# Altium PCB miniBackplane.PcbDoc (part 20 of 24)
Units mil, origin at the board's own origin, x right, y up, seen from the top; angles counter-clockwise.
Board outline 17285.63 x 8582.68 mil, 6 copper layers (Top Layer, Mid-Layer 1, GND, PWR, Mid-Layer 2, Bottom Layer), stack 62.362 mil thick; 519 components, 474 nets, 2434 pads, 1493 vias.
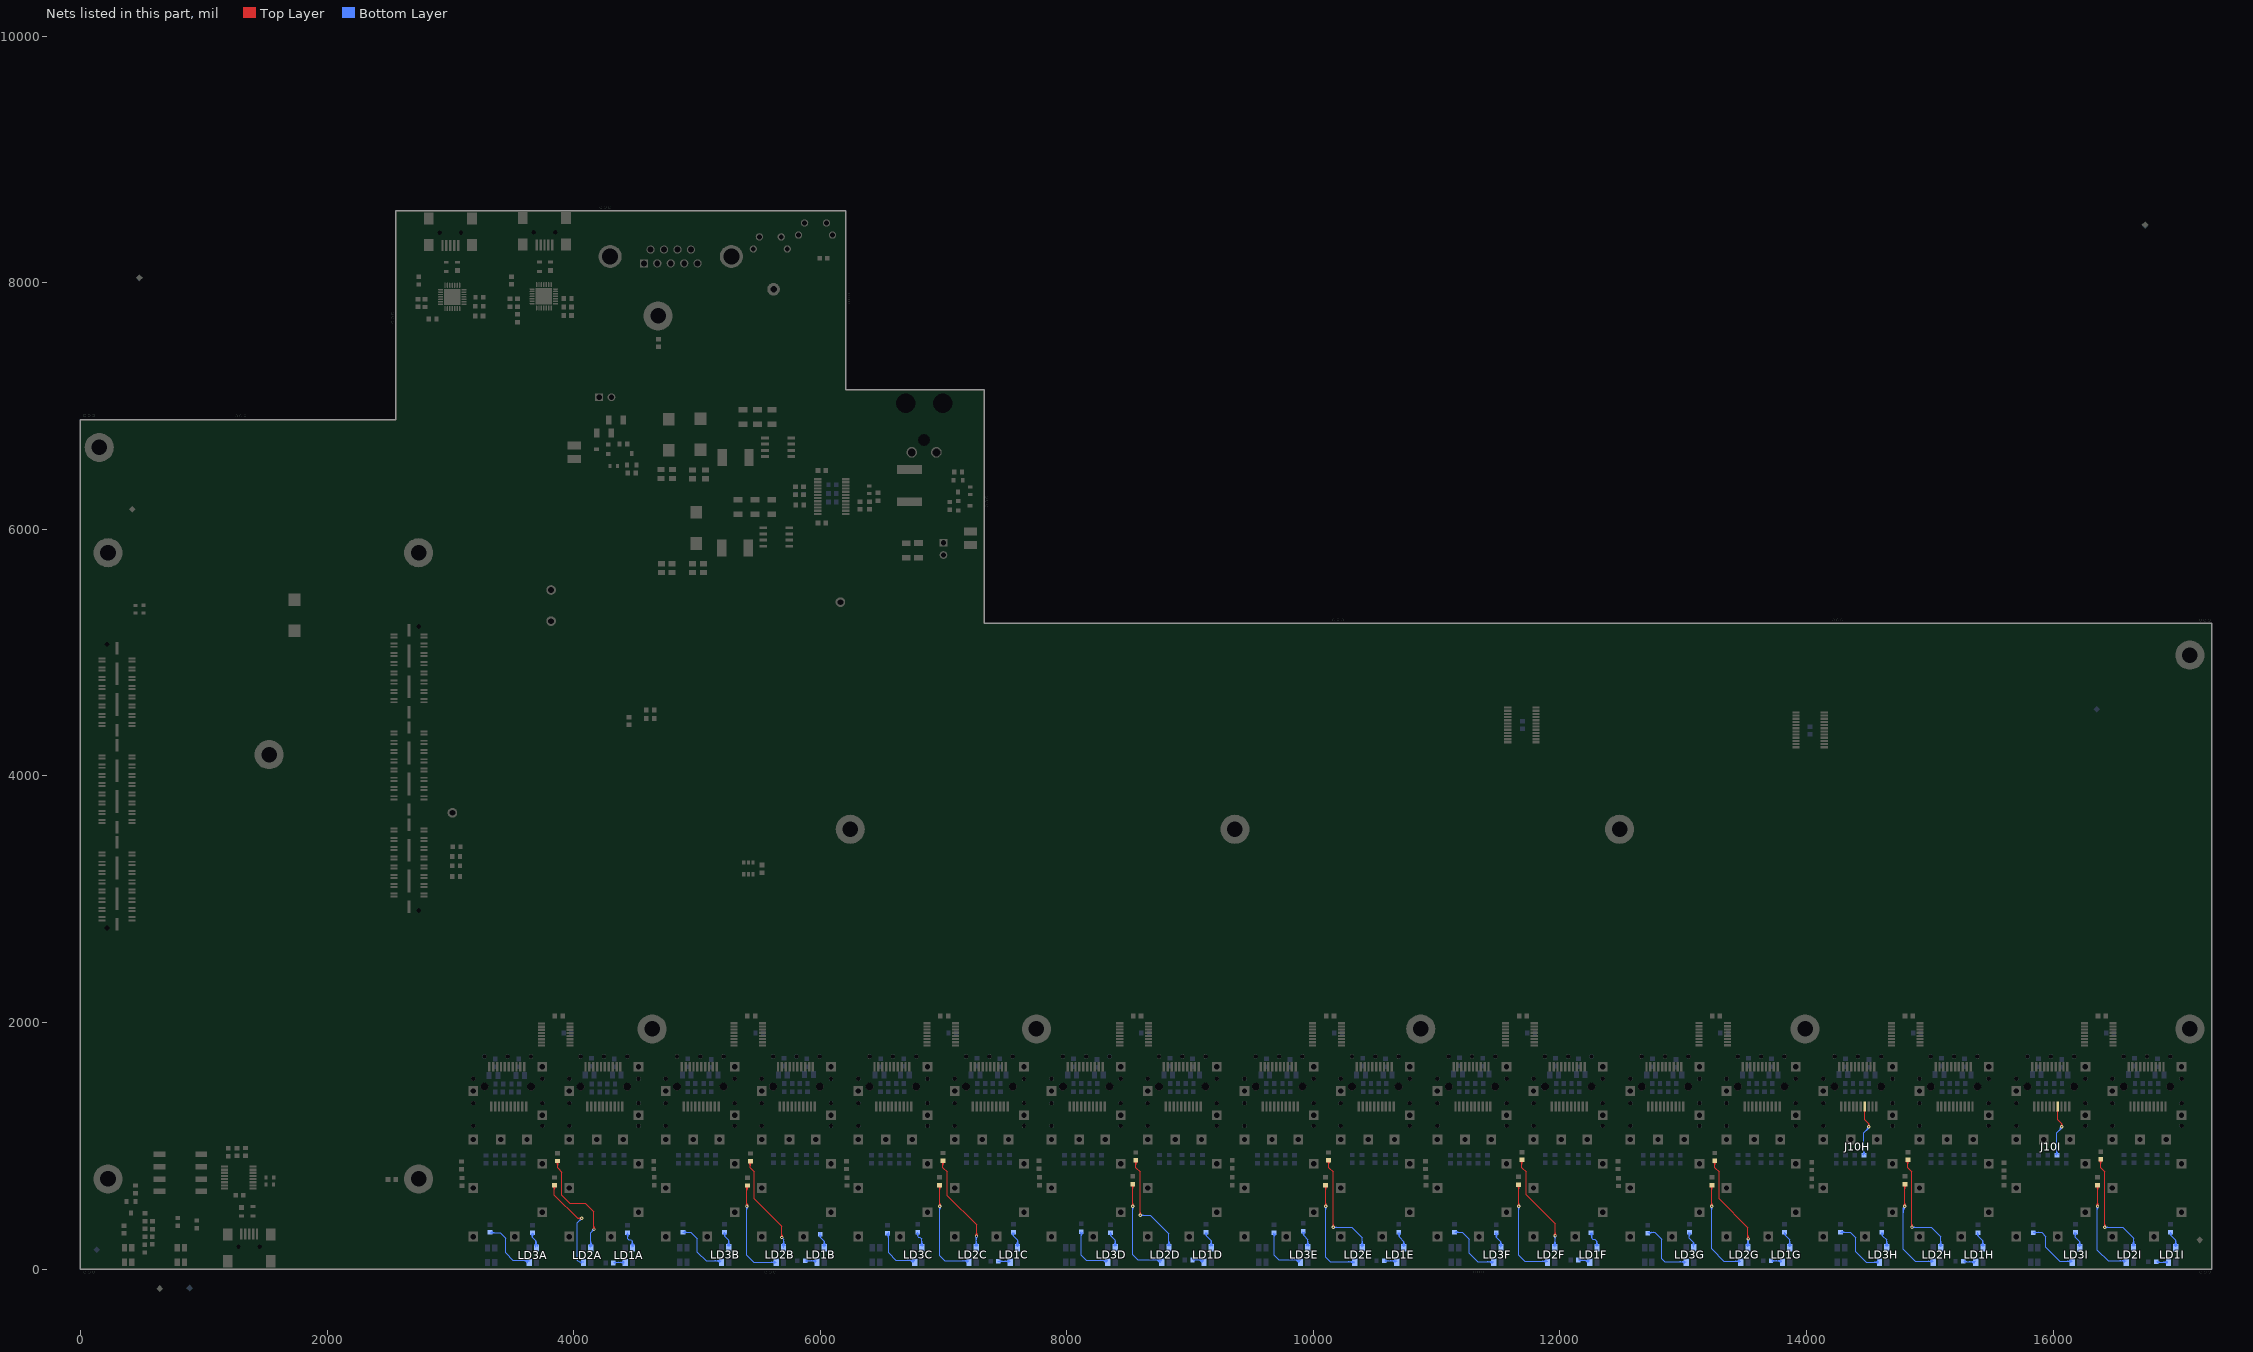
[diagram p24: the nets of this part, all layers, seen from the top]

## Via types
v1: diameter 27.56, hole 11.81, Top Layer to Bottom Layer, tented both sides, 1347 vias
v2: diameter 23.62, hole 11.81, Top Layer to Bottom Layer, tented both sides, 146 vias

## Nets (pads, with @x,y where several pads share a name; then routed paths per layer and width w, separated by ;. In a path a pad name is that pad's centre, name@x,y a point inside that pad or via, vN(x,y) a via of type N, cw(c..) or ccw(c..) an arc to the next point about the centre after c; other vN are vias at no path point) (continued)
NetJ10H_7: J10H.7 R28H.2 | length 825.2
  Top Layer w7.87: J10H.7@14472.2,1320.05 14472.2,1212.11 14505.69,1178.62 v1(14505.69,1153.62) ; 14472.2,1274.6 ccw(c14457.95,1274.6) 14468.03,1284.68 cw(c14457.95,1274.6) 14472.2,1274.6 ; 14472.2,1274.6 cw(c14486.46,1274.6) 14476.38,1284.68 ccw(c14486.46,1274.6) 14472.2,1274.6 ; 14505.69,1177.38 ccw(c14529.45,1177.38) 14512.65,1160.58 cw(c14529.45,1177.38) 14505.69,1177.38 ; 14505.69,1177.38 cw(c14481.93,1177.38) 14498.73,1160.58 ccw(c14481.93,1177.38) 14505.69,1177.38
  Bottom Layer w7.87: R28H.2@14466.38,922.53 14466.38,1104.31 14505.69,1143.62 v1(14505.69,1153.62) ; 14489.79,1130.99 cw(c14521.84,1122.4) v1@14506.6,1151.87 ; v1@14497.25,1148.57 cw(c14483.27,1140.21) 14499,1135.99 cw(c14509.64,1133.14) v1@14507.55,1143.96 ; 14466.38,955.79 ccw(c14499.64,955.79) 14476.12,932.27 cw(c14499.64,955.79) 14466.38,955.79 ; 14466.38,955.79 cw(c14433.11,955.79) 14456.63,932.27 ccw(c14433.11,955.79) 14466.38,955.79 ; 14481.82,1119.75 ccw(c14447.95,1153.62) 14495.85,1153.62 cw(c14447.95,1153.62) 14481.82,1119.75 ; 14495.26,1133.19 ccw(c14474.83,1153.62) 14503.72,1153.62 cw(c14474.83,1153.62) 14495.26,1133.19
NetJ10I_7: J10I.7 R28I.2 | length 825.2
  Top Layer w7.87: J10I.7@16037.2,1320.05 16037.2,1212.11 16070.69,1178.62 v1(16070.69,1153.62) ; 16037.2,1274.6 ccw(c16022.95,1274.6) 16033.03,1284.68 cw(c16022.95,1274.6) 16037.2,1274.6 ; 16037.2,1274.6 cw(c16051.46,1274.6) 16041.38,1284.68 ccw(c16051.46,1274.6) 16037.2,1274.6 ; 16070.69,1177.38 ccw(c16094.45,1177.38) 16077.65,1160.58 cw(c16094.45,1177.38) 16070.69,1177.38 ; 16070.69,1177.38 cw(c16046.93,1177.38) 16063.73,1160.58 ccw(c16046.93,1177.38) 16070.69,1177.38
  Bottom Layer w7.87: R28I.2@16031.38,922.53 16031.38,1104.31 16070.69,1143.62 v1(16070.69,1153.62) ; 16054.79,1130.99 cw(c16086.84,1122.4) v1@16071.6,1151.87 ; v1@16062.25,1148.57 cw(c16048.27,1140.21) 16064,1135.99 cw(c16074.64,1133.14) v1@16072.55,1143.96 ; 16031.38,955.79 ccw(c16064.64,955.79) 16041.12,932.27 cw(c16064.64,955.79) 16031.38,955.79 ; 16031.38,955.79 cw(c15998.11,955.79) 16021.63,932.27 ccw(c15998.11,955.79) 16031.38,955.79 ; 16046.82,1119.75 ccw(c16012.95,1153.62) 16060.85,1153.62 cw(c16012.95,1153.62) 16046.82,1119.75 ; 16060.26,1133.19 ccw(c16039.83,1153.62) 16068.72,1153.62 cw(c16039.83,1153.62) 16060.26,1133.19
NetLD1A_2: LD1A.2 R17A.2 | length 431.1
  Bottom Layer w7.87: R17A.2@4326.79,53.46 LD1A.2@4411.43,53.46 ; 4376.54,53.46 ccw(c4376.54,96.24) 4406.78,65.99 cw(c4376.54,96.24) 4376.54,53.46 ; 4376.54,53.46 cw(c4376.54,10.69) 4406.78,40.94 ccw(c4376.54,10.69) 4376.54,53.46 ; 4395.54,53.46 ccw(c4395.54,77.23) 4412.35,60.42 cw(c4395.54,77.23) 4395.54,53.46 ; 4395.54,53.46 cw(c4395.54,29.7) 4412.35,46.5 ccw(c4395.54,29.7) 4395.54,53.46 ; R17A.2@4327.03,47.32 cw(c4341.86,32.49) 4341.86,53.46 ccw(c4341.86,32.49) R17A.2@4327.03,47.32 ; R17A.2@4332.59,41.75 cw(c4360.87,13.48) 4360.87,53.46 ccw(c4360.87,13.48) R17A.2@4332.59,41.75 ; R17A.2@4332.59,61.24 ccw(c4351.36,80.01) 4351.36,53.46 cw(c4351.36,80.01) R17A.2@4332.59,61.24
NetLD1A_3: LD1A.3 R18A.2 | length 429
  Bottom Layer w7.87: R18A.2@4439.67,294.91 4439.67,247.67 4448.83,238.5 4464.58,238.5 4474.42,228.66 ; LD1A.3@4474.42,175.51 4474.42,228.66 ; 4474.42,228.66 ccw(c4523.45,228.66) 4490.33,192.51 cw(c4523.45,228.66) 4474.42,228.66 ; R18A.2@4429.25,283.88 cw(c4404.09,258.72) 4439.67,258.72 ccw(c4404.09,258.72) R18A.2@4429.25,283.88 ; 4439.67,261.99 cw(c4470.62,261.99) 4448.74,283.88 ccw(c4470.62,261.99) 4439.67,261.99 ; LD1A.3@4465.83,191.98 ccw(c4445.1,212.72) 4474.42,212.72 cw(c4445.1,212.72) LD1A.3@4465.83,191.98 ; 4474.42,210.76 ccw(c4507.06,210.76) 4485.01,186.71 cw(c4507.06,210.76) 4474.42,210.76
NetLD1B_2: LD1B.2 R17B.2 | length 385.9
  Bottom Layer w7.87: R17B.2@5878.36,66.93 LD1B.2@5966.94,66.93 ; 5911.63,66.93 ccw(c5911.63,33.66) 5888.11,57.19 cw(c5911.63,33.66) 5911.63,66.93 ; 5911.63,66.93 cw(c5911.63,100.2) 5888.11,76.67 ccw(c5911.63,100.2) 5911.63,66.93 ; 5941.55,66.93 ccw(c5941.55,96.26) 5962.29,75.52 cw(c5941.55,96.26) 5941.55,66.93 ; 5941.55,66.93 cw(c5941.55,29.73) 5967.86,56.03 ccw(c5941.55,29.73) 5941.55,66.93 ; 5922.54,66.93 cw(c5922.54,10.72) 5962.29,50.46 ccw(c5922.54,10.72) 5922.54,66.93
NetLD1B_3: LD1B.3 R18B.2 | length 402.3
  Bottom Layer w7.87: R18B.2@6001.13,296.57 6001.13,259.13 6033.87,226.38 LD1B.3@6033.87,177.17 ; 6001.13,259.12 ccw(c5987.21,259.12) 5993.84,271.35 cw(c5987.21,259.12) 6001.13,259.12 ; 6001.13,259.12 cw(c6016.57,259.12) 6008.03,271.98 ccw(c6016.57,259.12) 6001.13,259.12 ; 6033.87,204.86 ccw(c6057.64,204.86) 6040.83,188.06 cw(c6057.64,204.86) 6033.87,204.86 ; 6033.87,204.86 cw(c6010.11,204.86) 6026.91,188.06 ccw(c6010.11,204.86) 6033.87,204.86 ; 6033.87,223.87 ccw(c6076.65,223.87) 6046.4,193.63 cw(c6076.65,223.87) 6033.87,223.87 ; 6033.87,223.87 cw(c5991.1,223.87) 6021.35,193.63 ccw(c5991.1,223.87) 6033.87,223.87
NetLD1C_2: LD1C.2 R17C.2 | length 413.9
  Bottom Layer w7.87: R17C.2@7441.35,63 LD1C.2@7541.75,63 ; 7478.56,63 ccw(c7478.56,29.73) 7455.03,53.26 cw(c7478.56,29.73) 7478.56,63 ; 7478.56,63 cw(c7478.56,96.27) 7455.03,72.74 ccw(c7478.56,96.27) 7478.56,63 ; 7498.98,63 ccw(c7498.98,105.77) 7529.22,75.53 cw(c7498.98,105.77) 7498.98,63 ; 7498.98,63 cw(c7498.98,20.23) 7529.22,50.47 ccw(c7498.98,20.23) 7498.98,63 ; 7517.99,63 ccw(c7517.99,86.76) 7534.79,69.96 cw(c7517.99,86.76) 7517.99,63 ; 7517.99,63 cw(c7517.99,39.24) 7534.79,56.04 ccw(c7517.99,39.24) 7517.99,63
NetLD1C_3: LD1C.3 R18C.2 | length 429.1
  Bottom Layer w7.87: R18C.2@7566.13,296.57 7566.13,268.94 ; LD1C.3@7600.8,181.11 7600.8,234.26 7566.13,268.94 ; 7566.13,268.93 ccw(c7541.07,268.93) 7556.75,288.47 cw(c7541.07,268.93) 7566.13,268.93 ; 7566.13,268.93 cw(c7594.09,268.93) 7574.85,289.22 ccw(c7594.09,268.93) 7566.13,268.93 ; 7600.8,204.87 ccw(c7624.56,204.87) 7607.76,188.07 cw(c7624.56,204.87) 7600.8,204.87 ; 7600.8,204.87 cw(c7577.04,204.87) 7593.84,188.07 ccw(c7577.04,204.87) 7600.8,204.87 ; 7600.8,223.88 ccw(c7643.57,223.88) 7613.33,193.64 cw(c7643.57,223.88) 7600.8,223.88 ; 7600.8,223.88 cw(c7558.03,223.88) 7588.28,193.64 ccw(c7558.03,223.88) 7600.8,223.88
NetLD1D_2: LD1D.2 R17D.2 | length 531.2
  Bottom Layer w7.87: R17D.2@9027.97,74.81 LD1D.2@9108.68,74.81 ; 9081.68,69.88 ccw(c9088.02,80.86) LD1D.2@9098.28,73.41 ; 9089.25,65.51 ccw(c9095.13,75.7) LD1D.2@9104.65,68.78 ; 9090.7,64.68 cw(c9085.54,55.75) LD1D.2@9095.5,58.41 ; 9053.36,74.81 ccw(c9053.36,41.54) 9029.84,65.07 cw(c9053.36,41.54) 9053.36,74.81 ; 9053.36,74.81 cw(c9053.36,108.08) 9029.84,84.55 ccw(c9053.36,108.08) 9053.36,74.81 ; 9041.33,74.81 cw(c9041.33,-8.29) 9100.09,50.47 ccw(c9041.33,-8.29) 9041.33,74.81 ; 9060.34,74.81 cw(c9060.34,10.72) 9105.65,56.04 ccw(c9060.34,10.72) 9060.34,74.81 ; 9079.35,74.81 cw(c9079.35,29.73) 9111.22,61.61 ccw(c9079.35,29.73) 9079.35,74.81
NetLD1D_3: LD1D.3 R18D.2 | length 414.2
  Bottom Layer w7.87: R18D.2@9131.13,296.57 9131.13,270.87 ; LD1D.3@9171.67,188.98 9171.67,230.32 9134.27,267.72 9131.13,270.87 ; 9131.13,270.86 ccw(c9110.02,270.86) 9122.31,288.02 cw(c9110.02,270.86) 9131.13,270.86 ; 9131.13,270.86 cw(c9154.82,270.86) 9139.34,288.79 ccw(c9154.82,270.86) 9131.13,270.86 ; 9171.67,204.87 ccw(c9195.43,204.87) 9178.63,188.07 cw(c9195.43,204.87) 9171.67,204.87 ; 9171.67,204.87 cw(c9147.91,204.87) 9164.71,188.07 ccw(c9147.91,204.87) 9171.67,204.87 ; 9171.67,223.88 ccw(c9214.44,223.88) 9184.2,193.64 cw(c9214.44,223.88) 9171.67,223.88 ; 9171.67,223.88 cw(c9128.9,223.88) 9159.14,193.64 ccw(c9128.9,223.88) 9171.67,223.88
NetLD1E_2: LD1E.2 R17E.2 | length 395.4
  Bottom Layer w7.87: R17E.2@10579.15,66.94 10671.67,66.94 LD1E.2@10675.61,63 ; 10608.48,66.94 ccw(c10608.48,33.67) 10584.96,57.19 cw(c10608.48,33.67) 10608.48,66.94 ; 10608.48,66.94 cw(c10608.48,100.2) 10584.96,76.68 ccw(c10608.48,100.2) 10608.48,66.94 ; 10642.34,66.94 ccw(c10642.34,96.27) 10663.08,75.53 cw(c10642.34,96.27) 10642.34,66.94 ; 10642.34,66.94 cw(c10642.34,29.73) 10668.65,56.04 ccw(c10642.34,29.73) 10642.34,66.94 ; 10623.33,66.94 cw(c10623.33,10.72) 10663.08,50.47 ccw(c10623.33,10.72) 10623.33,66.94
NetLD1E_3: LD1E.3 R18E.2 | length 431.2
  Bottom Layer w7.87: R18E.2@10696.13,296.57 10696.13,260.57 10734.66,222.03 ; LD1E.3@10734.66,181.11 10734.66,222.03 ; 10734.66,203.84 ccw(c10755.99,203.84) 10741.4,188.29 cw(c10755.99,203.84) 10734.66,203.84 ; 10734.66,203.84 cw(c10713.33,203.84) 10727.93,188.29 ccw(c10713.33,203.84) 10734.66,203.84 ; 10734.66,222.03 ccw(c10773.06,222.03) 10746.78,194.03 cw(c10773.06,222.03) 10734.66,222.03 ; 10734.66,222.03 cw(c10696.26,222.03) 10722.54,194.03 ccw(c10696.26,222.03) 10734.66,222.03 ; R18E.2@10685.55,289.48 cw(c10660.01,263.94) 10696.13,263.94 ccw(c10660.01,263.94) R18E.2@10685.55,289.48 ; 10696.13,267.97 cw(c10726.54,267.97) 10705.03,289.48 ccw(c10726.54,267.97) 10696.13,267.97
NetLD1F_2: LD1F.2 R17F.2 | length 489.9
  Bottom Layer w7.87: R17F.2@12153.52,70.87 LD1F.2@12234.23,70.87 ; 12220.18,64.68 cw(c12215.03,55.75) LD1F.2@12224.99,58.41 ; 12218.34,70.87 ccw(c12218.34,86.76) 12229.57,75.53 cw(c12218.34,86.76) 12218.34,70.87 ; 12218.34,70.87 cw(c12218.34,39.24) 12240.71,61.61 ccw(c12218.34,39.24) 12218.34,70.87 ; R17F.2@12153.76,77.02 ccw(c12168.59,91.85) 12168.59,70.87 cw(c12168.59,91.85) R17F.2@12153.76,77.02 ; R17F.2@12159.33,63.1 cw(c12178.1,44.33) 12178.1,70.87 ccw(c12178.1,44.33) R17F.2@12159.33,63.1 ; R17F.2@12159.33,82.59 ccw(c12187.6,110.86) 12187.6,70.87 cw(c12187.6,110.86) R17F.2@12159.33,82.59 ; 12180.32,70.87 cw(c12180.32,1.22) 12229.57,50.47 ccw(c12180.32,1.22) 12180.32,70.87 ; 12199.33,70.87 cw(c12199.33,20.23) 12235.14,56.04 ccw(c12199.33,20.23) 12199.33,70.87
NetLD1F_3: LD1F.3 R18F.2 | length 464.9
  Bottom Layer w7.87: R18F.2@12260.69,296.57 12260.69,247.17 12267.69,240.17 12283.44,240.17 12299.19,224.42 ; LD1F.3@12299.19,183.08 12299.19,224.42 ; 12299.19,224.42 ccw(c12338.95,224.42) 12312.81,194.46 cw(c12338.95,224.42) 12299.19,224.42 ; R18F.2@12244.32,285.39 cw(c12206.77,246.69) 12260.69,246.69 ccw(c12206.77,246.69) R18F.2@12244.32,285.39 ; R18F.2@12249.8,291.04 cw(c12224.83,265.3) 12260.69,265.3 ccw(c12224.83,265.3) R18F.2@12249.8,291.04 ; R18F.2@12260.69,278.38 cw(c12270.81,278.38) 12263.66,285.54 ccw(c12270.81,278.38) R18F.2@12260.69,278.38 ; LD1F.3@12288.63,193.64 ccw(c12263.14,219.13) 12299.19,219.13 cw(c12263.14,219.13) LD1F.3@12288.63,193.64 ; 12299.19,207.09 ccw(c12323.83,207.09) 12307.63,188.53 cw(c12323.83,207.09) 12299.19,207.09
NetLD1G_2: LD1G.2 R17G.2 | length 382
  Bottom Layer w7.87: R17G.2@13716.51,66.94 LD1G.2@13801.16,66.94 ; 13745.84,66.94 ccw(c13745.84,33.67) 13722.32,57.19 cw(c13745.84,33.67) 13745.84,66.94 ; 13745.84,66.94 cw(c13745.84,100.2) 13722.32,76.68 ccw(c13745.84,100.2) 13745.84,66.94 ; 13771.83,66.94 ccw(c13771.83,96.27) 13792.57,75.53 cw(c13771.83,96.27) 13771.83,66.94 ; 13771.83,66.94 cw(c13771.83,29.73) 13798.13,56.04 ccw(c13771.83,29.73) 13771.83,66.94 ; 13752.82,66.94 cw(c13752.82,10.72) 13792.57,50.47 ccw(c13752.82,10.72) 13752.82,66.94
NetLD1G_3: LD1G.3 R18G.2 | length 391.5
  Bottom Layer w7.87: R18G.2@13825.69,296.57 13825.69,276.65 ; LD1G.3@13864.15,181.11 13864.15,238.2 13825.69,276.65 ; 13825.69,276.64 ccw(c13814.77,276.64) 13819.2,286.62 cw(c13814.77,276.64) 13825.69,276.64 ; 13825.69,276.64 cw(c13838.17,276.64) 13831.81,287.37 ccw(c13838.17,276.64) 13825.69,276.64 ; 13864.15,204.87 ccw(c13887.91,204.87) 13871.11,188.07 cw(c13887.91,204.87) 13864.15,204.87 ; 13864.15,204.87 cw(c13840.39,204.87) 13857.19,188.07 ccw(c13840.39,204.87) 13864.15,204.87 ; 13864.15,223.88 ccw(c13906.92,223.88) 13876.68,193.64 cw(c13906.92,223.88) 13864.15,223.88 ; 13864.15,223.88 cw(c13821.38,223.88) 13851.62,193.64 ccw(c13821.38,223.88) 13864.15,223.88
NetLD1H_2: LD1H.2 R17H.2 | length 426.1
  Bottom Layer w7.87: R17H.2@15279.5,59.06 15364.15,59.06 LD1H.2@15372.02,66.94 ; 15338.76,59.06 ccw(c15338.76,88.39) 15359.5,67.65 cw(c15338.76,88.39) 15338.76,59.06 ; 15338.76,59.06 cw(c15338.76,21.86) 15365.06,48.17 ccw(c15338.76,21.86) 15338.76,59.06 ; R17H.2@15275.81,65.21 ccw(c15290.64,80.04) 15290.64,59.06 cw(c15290.64,80.04) R17H.2@15275.81,65.21 ; R17H.2@15281.37,51.29 cw(c15300.14,32.52) 15300.14,59.06 ccw(c15300.14,32.52) R17H.2@15281.37,51.29 ; R17H.2@15281.37,70.77 ccw(c15309.65,99.05) 15309.65,59.06 cw(c15309.65,99.05) R17H.2@15281.37,70.77 ; 15319.75,59.06 cw(c15319.75,2.85) 15359.5,42.6 ccw(c15319.75,2.85) 15319.75,59.06
NetLD1H_3: LD1H.3 R18H.2 | length 398.9
  Bottom Layer w7.87: R18H.2@15390.69,296.57 15390.69,270.71 ; LD1H.3@15431.08,185.05 15431.08,230.32 15390.69,270.71 ; 15390.69,270.69 ccw(c15376.58,270.69) 15383.24,283.13 cw(c15376.58,270.69) 15390.69,270.69 ; 15390.69,270.69 cw(c15406.9,270.69) 15397.63,283.98 ccw(c15406.9,270.69) 15390.69,270.69 ; 15431.08,204.87 ccw(c15454.84,204.87) 15438.04,188.07 cw(c15454.84,204.87) 15431.08,204.87 ; 15431.08,204.87 cw(c15407.32,204.87) 15424.12,188.07 ccw(c15407.32,204.87) 15431.08,204.87 ; 15431.08,223.88 ccw(c15473.85,223.88) 15443.61,193.64 cw(c15473.85,223.88) 15431.08,223.88 ; 15431.08,223.88 cw(c15388.31,223.88) 15418.55,193.64 ccw(c15388.31,223.88) 15431.08,223.88
NetLD1I_2: LD1I.2 R17I.2 | length 431.1
  Bottom Layer w7.87: R17I.2@16843.56,55.13 LD1I.2@16928.2,55.13 ; 16893.31,55.13 ccw(c16893.31,97.9) 16923.55,67.65 cw(c16893.31,97.9) 16893.31,55.13 ; 16893.31,55.13 cw(c16893.31,12.35) 16923.55,42.6 ccw(c16893.31,12.35) 16893.31,55.13 ; 16912.32,55.13 ccw(c16912.32,78.89) 16929.12,62.09 cw(c16912.32,78.89) 16912.32,55.13 ; 16912.32,55.13 cw(c16912.32,31.36) 16929.12,48.17 ccw(c16912.32,31.36) 16912.32,55.13 ; R17I.2@16839.86,61.27 ccw(c16854.69,76.1) 16854.69,55.13 cw(c16854.69,76.1) R17I.2@16839.86,61.27 ; R17I.2@16845.43,47.35 cw(c16864.2,28.58) 16864.2,55.13 ccw(c16864.2,28.58) R17I.2@16845.43,47.35 ; R17I.2@16845.43,66.84 ccw(c16873.7,95.11) 16873.7,55.13 cw(c16873.7,95.11) R17I.2@16845.43,66.84
NetLD1I_3: LD1I.3 R18I.2 | length 407.1
  Bottom Layer w7.87: R18I.2@16955.69,296.57 16955.69,273.7 ; LD1I.3@16995.13,181.11 16995.13,234.26 16955.69,273.7 ; 16955.69,273.7 ccw(c16938.87,273.7) 16948.16,287.73 cw(c16938.87,273.7) 16955.69,273.7 ; 16955.69,273.7 cw(c16972.35,273.7) 16963.27,287.67 ccw(c16972.35,273.7) 16955.69,273.7 ; 16995.13,204.87 ccw(c17018.9,204.87) 17002.09,188.07 cw(c17018.9,204.87) 16995.13,204.87 ; 16995.13,204.87 cw(c16971.37,204.87) 16988.17,188.07 ccw(c16971.37,204.87) 16995.13,204.87 ; 16995.13,223.88 ccw(c17037.91,223.88) 17007.66,193.64 cw(c17037.91,223.88) 16995.13,223.88 ; 16995.13,223.88 cw(c16952.36,223.88) 16982.61,193.64 ccw(c16952.36,223.88) 16995.13,223.88
NetLD2A_2: LD2A.2 R19A.2 | length 1133.5
  Top Layer w7.87: R19A.2@3844.67,680.46 3844.67,599.46 4032.4,411.73 v1(4066.94,411.73) ; 4043.18,411.73 ccw(c4043.18,435.49) 4059.99,418.69 cw(c4043.18,435.49) 4043.18,411.73 ; 4043.18,411.73 cw(c4043.18,387.97) 4059.99,404.77 ccw(c4043.18,387.97) 4043.18,411.73 ; R19A.2@3834.76,669.71 cw(c3810.84,645.78) 3844.67,645.78 ccw(c3810.84,645.78) R19A.2@3834.76,669.71 ; 3844.67,646.58 cw(c3877.37,646.58) 3854.25,669.71 ccw(c3877.37,646.58) 3844.67,646.58
  Bottom Layer w7.87: v1(4066.94,411.73) 4031.51,376.3 4031.51,73.15 4047.26,57.4 ; LD2A.2@4080.72,57.4 4047.26,57.4 ; 4047.26,57.4 cw(c4047.26,38.43) 4064.56,46.21 ccw(c4047.26,38.43) 4047.26,57.4 ; 4050.14,394.93 ccw(c4033.34,411.73) 4057.1,411.73 cw(c4033.34,411.73) 4050.14,394.93 ; 4050.14,394.93 cw(c4066.94,378.13) 4066.94,401.89 ccw(c4066.94,378.13) 4050.14,394.93 ; 4047.46,57.4 ccw(c4047.46,86.73) 4068.2,65.99 cw(c4047.46,86.73) 4047.46,57.4
NetLD2A_3: LD2A.3 R21A.2 | length 1379.7
  Top Layer w7.87: R21A.2@3869.67,885.46 3869.67,821.96 3904.67,786.96 3904.67,597.63 3968.52,533.78 4094.5,533.78 4165.37,462.91 v1(4165.37,321.18) ; 4165.37,344.94 ccw(c4189.13,344.94) 4172.33,328.14 cw(c4189.13,344.94) 4165.37,344.94 ; 4165.37,344.94 cw(c4141.61,344.94) 4158.41,328.14 ccw(c4141.61,344.94) 4165.37,344.94 ; R21A.2@3860.35,866.56 cw(c3837.85,844.06) 3869.67,844.06 ccw(c3837.85,844.06) R21A.2@3860.35,866.56 ; 3869.67,842.01 cw(c3904.39,842.01) 3879.84,866.56 ccw(c3904.39,842.01) 3869.67,842.01
  Bottom Layer w7.87: LD2A.3@4139.78,175.51 4139.78,295.59 v1(4165.37,321.18) ; 4139.78,203.21 ccw(c4163.54,203.21) 4146.74,186.41 cw(c4163.54,203.21) 4139.78,203.21 ; 4139.78,203.21 cw(c4116.02,203.21) 4132.82,186.41 ccw(c4116.02,203.21) 4139.78,203.21 ; 4139.78,222.22 ccw(c4182.55,222.22) 4152.31,191.98 cw(c4182.55,222.22) 4139.78,222.22 ; 4139.78,222.22 cw(c4097.01,222.22) 4127.25,191.98 ccw(c4097.01,222.22) 4139.78,222.22 ; 4148.57,304.38 ccw(c4131.77,321.18) 4155.53,321.18 cw(c4131.77,321.18) 4148.57,304.38 ; 4148.57,304.38 cw(c4165.37,287.58) 4165.37,311.34 ccw(c4165.37,287.58) 4148.57,304.38
NetLD2B_2: LD2B.2 R19B.2 | length 1327.5
  Top Layer w7.87: v1(5406.13,510.56) R19B.2@5406.13,682.12 ; 5406.13,534.32 ccw(c5429.89,534.32) 5413.09,517.52 cw(c5429.89,534.32) 5406.13,534.32 ; 5406.13,534.32 cw(c5382.36,534.32) 5399.17,517.52 ccw(c5382.36,534.32) 5406.13,534.32 ; R19B.2@5398.15,667.42 cw(c5378.88,648.16) 5406.13,648.16 ccw(c5378.88,648.16) R19B.2@5398.15,667.42 ; 5406.13,639.64 cw(c5445.41,639.64) 5417.63,667.42 ccw(c5445.41,639.64) 5406.13,639.64 ; 5406.13,658.65 cw(c5426.4,658.65) 5412.07,672.99 ccw(c5426.4,658.65) 5406.13,658.65
  Bottom Layer w7.87: v1(5406.13,510.56) 5406.13,110.03 5461.04,55.12 LD2B.2@5644.11,55.12 ; 5406.13,486.8 ccw(c5382.36,486.8) 5399.17,503.6 cw(c5382.36,486.8) 5406.13,486.8 ; 5406.13,486.8 cw(c5429.89,486.8) 5413.09,503.6 ccw(c5429.89,486.8) 5406.13,486.8 ; 5601.34,55.12 ccw(c5601.34,97.89) 5631.58,67.65 cw(c5601.34,97.89) 5601.34,55.12 ; 5601.34,55.12 cw(c5601.34,12.35) 5631.58,42.59 ccw(c5601.34,12.35) 5601.34,55.12 ; 5620.35,55.12 ccw(c5620.35,78.88) 5637.15,62.08 cw(c5620.35,78.88) 5620.35,55.12 ; 5620.35,55.12 cw(c5620.35,31.36) 5637.15,48.16 ccw(c5620.35,31.36) 5620.35,55.12
NetLD2B_3: LD2B.3 R21B.2 | length 1214.8
  Top Layer w7.87: R21B.2@5431.13,887.12 5431.13,823.61 5466.13,788.61 5466.13,569.72 5689.39,346.46 v1(5689.39,255.91) ; 5689.39,279.67 ccw(c5713.15,279.67) 5696.35,262.86 cw(c5713.15,279.67) 5689.39,279.67 ; 5689.39,279.67 cw(c5665.62,279.67) 5682.43,262.86 ccw(c5665.62,279.67) 5689.39,279.67 ; R21B.2@5421.77,864.27 cw(c5399.18,841.68) 5431.13,841.68 ccw(c5399.18,841.68) R21B.2@5421.77,864.27 ; 5431.13,839.82 cw(c5465.71,839.82) 5441.26,864.27 ccw(c5465.71,839.82) 5431.13,839.82
  Bottom Layer w7.87: v1(5689.39,255.91) 5703.17,242.13 LD2B.3@5703.17,173.23 ; 5703.17,204.86 ccw(c5726.93,204.86) 5710.12,188.06 cw(c5726.93,204.86) 5703.17,204.86 ; 5703.17,204.86 cw(c5679.4,204.86) 5696.21,188.06 ccw(c5679.4,204.86) 5703.17,204.86 ; 5703.17,223.87 ccw(c5745.94,223.87) 5715.69,193.63 cw(c5745.94,223.87) 5703.17,223.87 ; 5703.17,223.87 cw(c5660.39,223.87) 5690.64,193.63 ccw(c5660.39,223.87) 5703.17,223.87
NetLD2C_2: LD2C.2 R19C.2 | length 1273.7
  Top Layer w7.87: v1(6971.13,510.57) R19C.2@6971.13,682.13 ; 6971.13,534.33 ccw(c6994.89,534.33) 6978.09,517.53 cw(c6994.89,534.33) 6971.13,534.33 ; 6971.13,534.33 cw(c6947.36,534.33) 6964.17,517.53 ccw(c6947.36,534.33) 6971.13,534.33 ; R19C.2@6961.14,671.37 cw(c6937.03,647.25) 6971.13,647.25 ccw(c6937.03,647.25) R19C.2@6961.14,671.37 ; 6971.13,648.43 cw(c7003.56,648.43) 6980.63,671.37 ccw(c7003.56,648.43) 6971.13,648.43
  Bottom Layer w7.87: v1(6971.13,510.57) 6971.13,108.03 7012.22,66.94 LD2C.2@7207.1,66.94 ; 6971.13,486.81 ccw(c6947.36,486.81) 6964.17,503.61 cw(c6947.36,486.81) 6971.13,486.81 ; 6971.13,486.81 cw(c6994.89,486.81) 6978.09,503.61 ccw(c6994.89,486.81) 6971.13,486.81 ; 7173.84,66.94 ccw(c7173.84,96.27) 7194.57,75.53 cw(c7173.84,96.27) 7173.84,66.94 ; 7173.84,66.94 cw(c7173.84,29.73) 7200.14,56.04 ccw(c7173.84,29.73) 7173.84,66.94 ; 7154.83,66.94 cw(c7154.83,10.72) 7194.57,50.47 ccw(c7154.83,10.72) 7154.83,66.94
NetLD2C_3: LD2C.3 R21C.2 | length 1278.4
  Top Layer w7.87: R21C.2@6996.13,887.13 6996.13,823.62 7031.13,788.62 7031.13,595.28 7268.13,358.28 v1(7268.13,267.72) ; 7268.13,291.49 ccw(c7291.89,291.49) 7275.09,274.68 cw(c7291.89,291.49) 7268.13,291.49 ; 7268.13,291.49 cw(c7244.36,291.49) 7261.17,274.68 ccw(c7244.36,291.49) 7268.13,291.49 ; R21C.2@6986.73,868.22 cw(c6964.04,845.53) 6996.13,845.53 ccw(c6964.04,845.53) R21C.2@6986.73,868.22 ; 6996.13,843.86 cw(c7030.58,843.86) 7006.22,868.22 ccw(c7030.58,843.86) 6996.13,843.86
  Bottom Layer w7.87: LD2C.3@7266.16,185.05 7266.16,265.76 v1(7268.13,267.72) ; 7266.16,204.87 ccw(c7289.92,204.87) 7273.12,188.07 cw(c7289.92,204.87) 7266.16,204.87 ; 7266.16,204.87 cw(c7242.4,204.87) 7259.2,188.07 ccw(c7242.4,204.87) 7266.16,204.87 ; 7266.16,223.88 ccw(c7308.93,223.88) 7278.68,193.64 cw(c7308.93,223.88) 7266.16,223.88 ; 7266.16,223.88 cw(c7223.39,223.88) 7253.63,193.64 ccw(c7223.39,223.88) 7266.16,223.88 ; v1@7261.17,260.76 cw(c7249.12,248.71) 7266.16,248.71 ccw(c7249.12,248.71) v1@7261.17,260.76 ; 7266.16,239.21 cw(c7296.64,239.21) 7275.09,260.76 ccw(c7296.64,239.21) 7266.16,239.21